# Altium PCB PCB_proj_module.PcbDoc (part 1 of 3)
Units mil, origin at the board's own origin, x right, y up, seen from the top; angles counter-clockwise.
Board outline 6000 x 4000 mil, 2 copper layers (Top Layer, Bottom Layer); 512 components, 452 nets, 1877 pads, 0 vias.
Unrouted connection lines stored in the file: 1267.
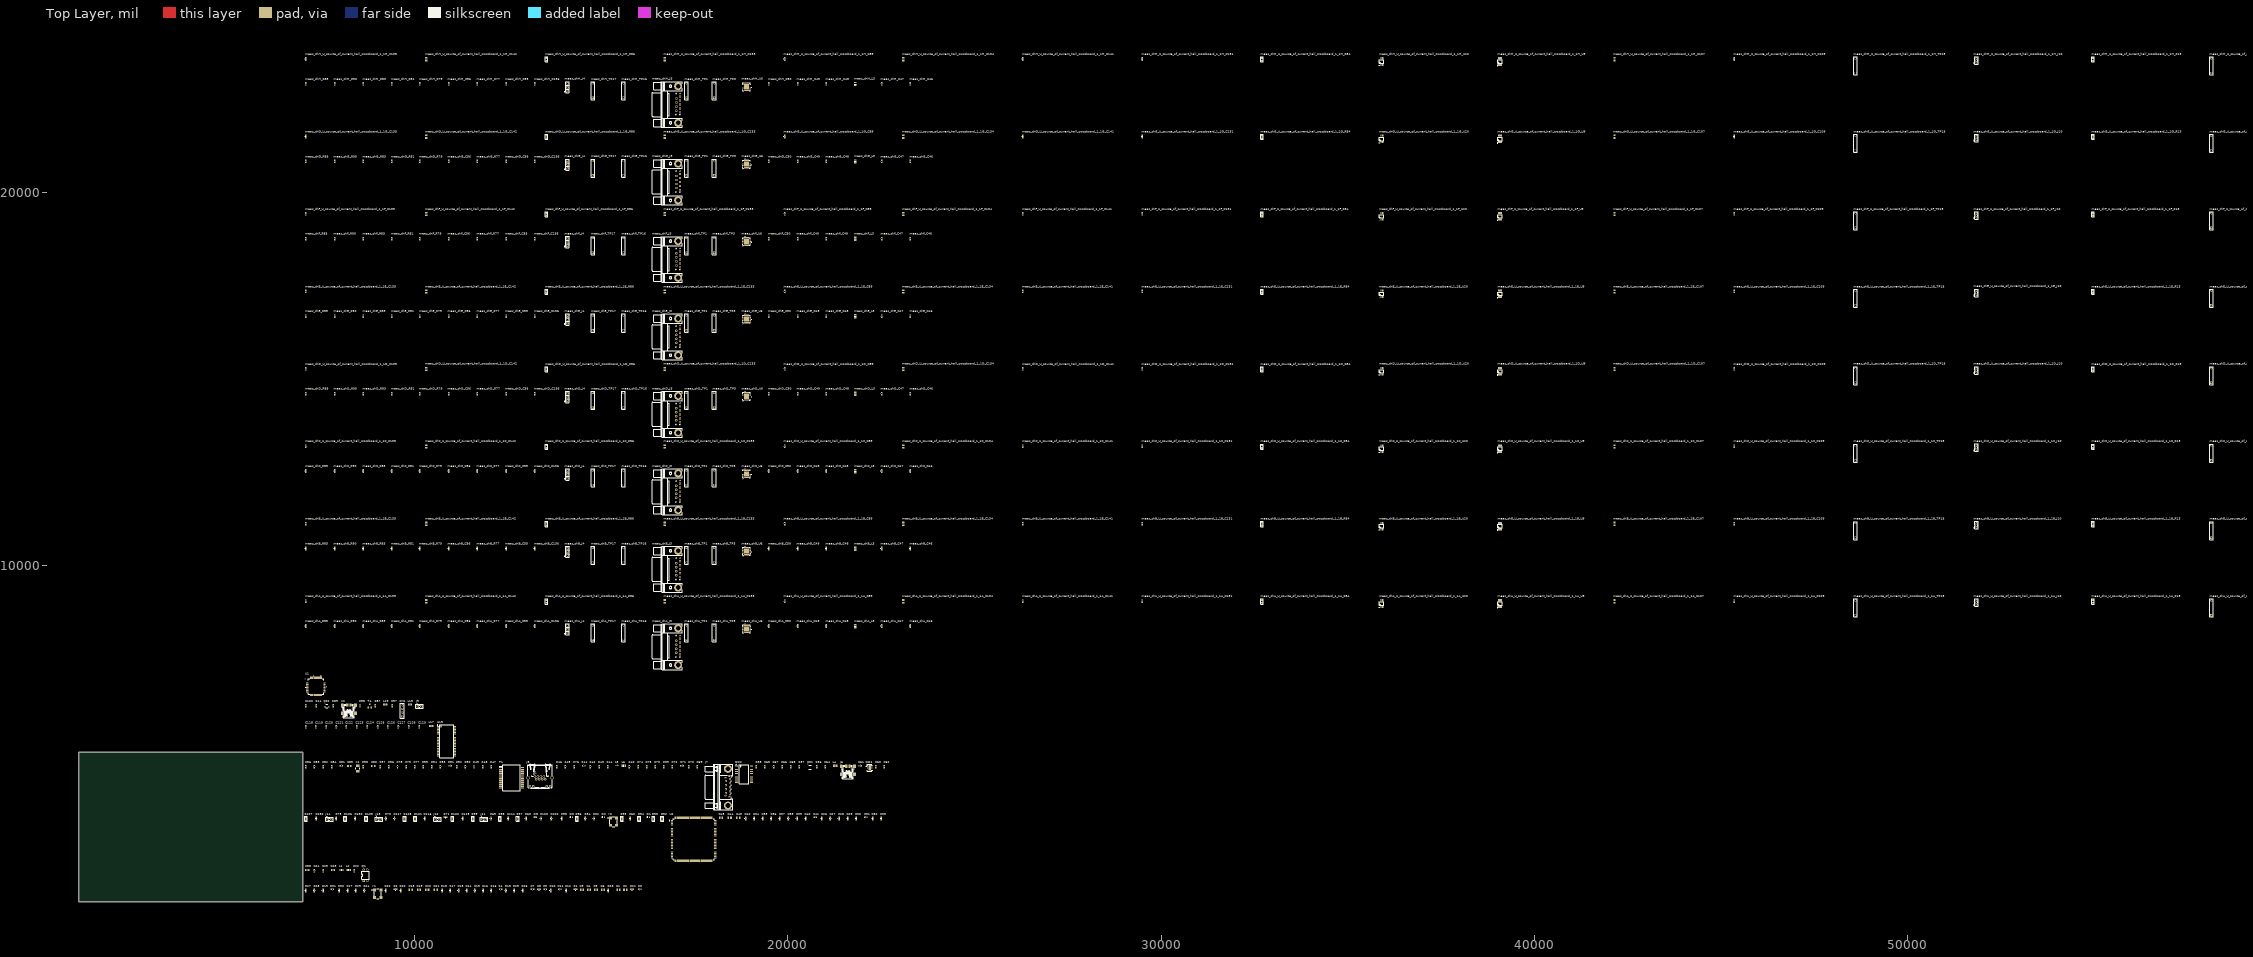
[diagram p0: Top Layer view]
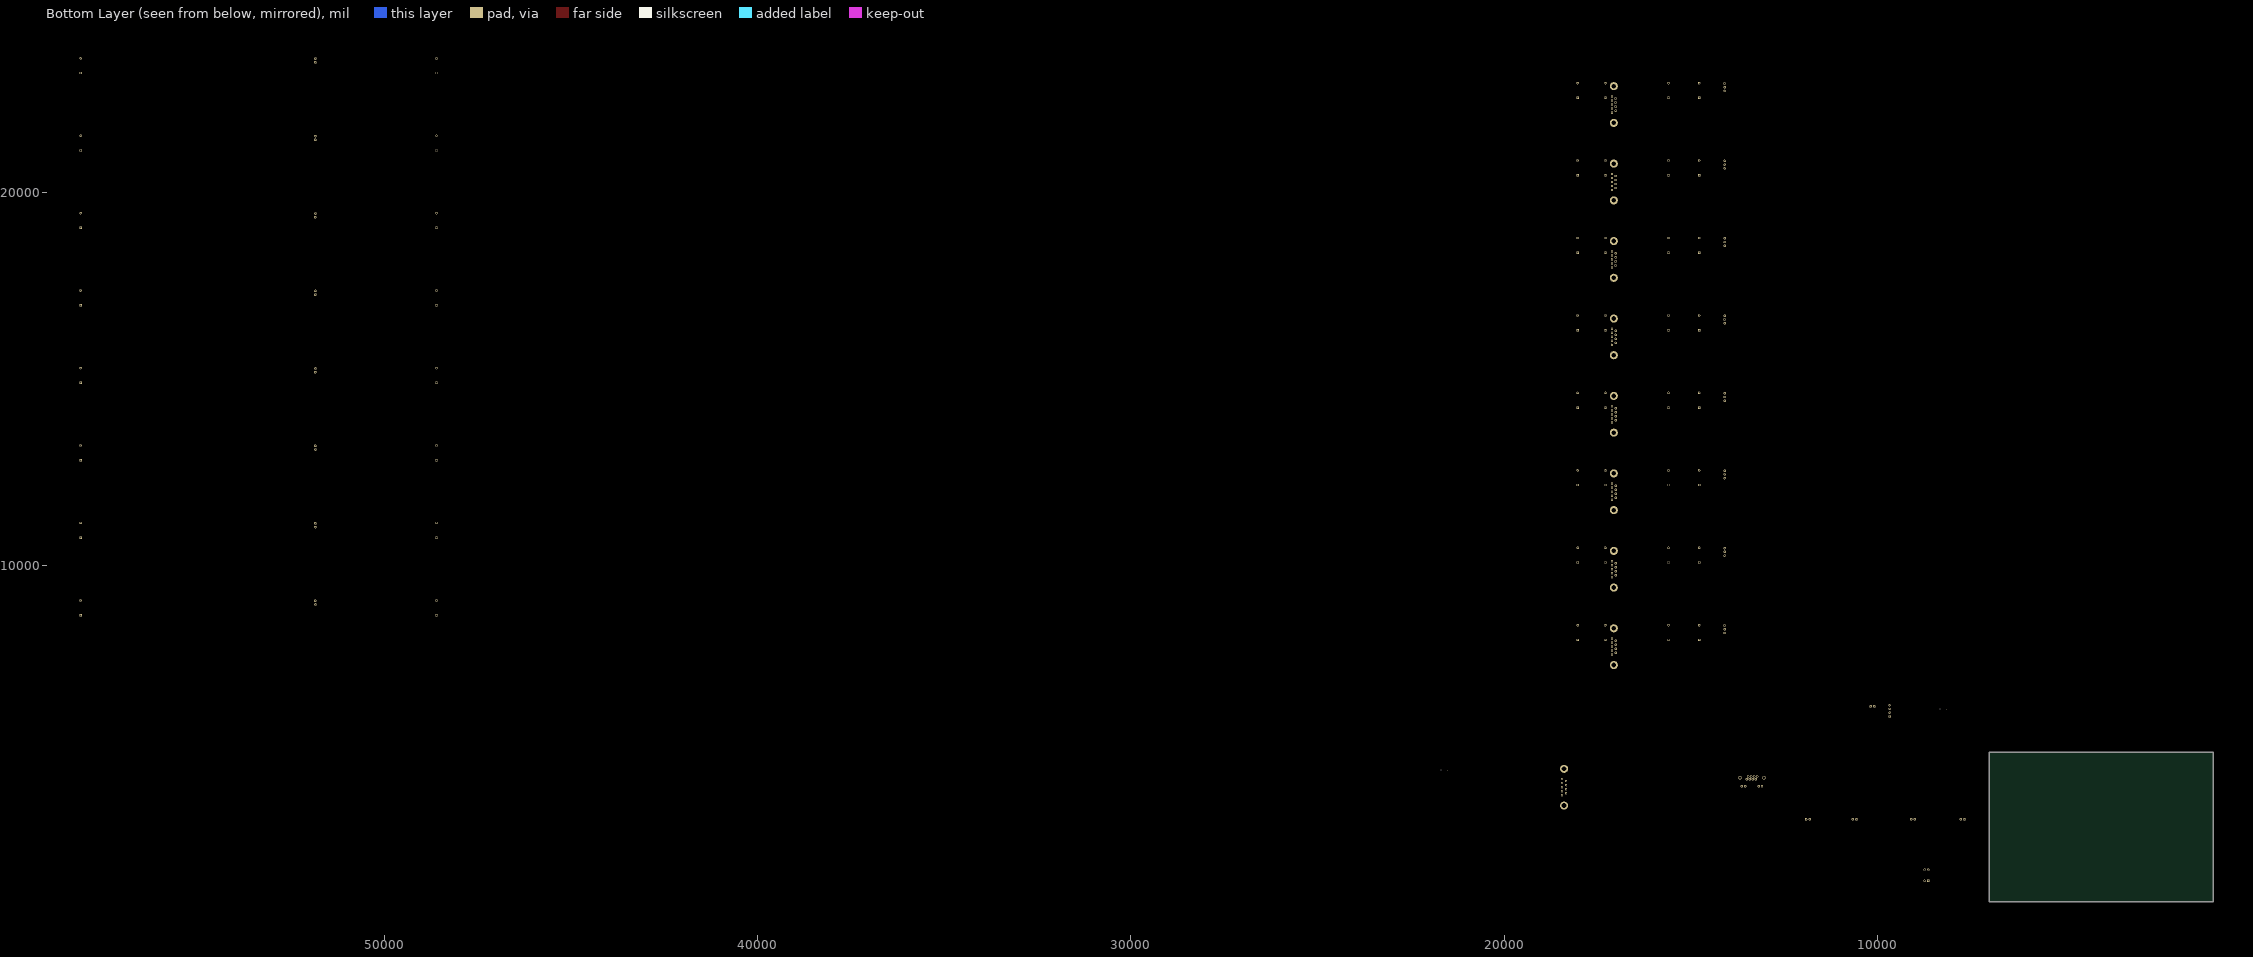
[diagram p1: Bottom Layer view, seen from below]

## Layer stack, top to bottom
Top Solder: solder mask 0.4, Solder Resist, Dk 3.5
Top Layer: signal copper 1.4
Dielectric 1: dielectric 12.6, FR-4, Dk 4.8
Bottom Layer: signal copper 1.4
Bottom Solder: solder mask 0.4, Solder Resist, Dk 3.5

## Board outline
1000,1000 7000,1000 7000,5000 1000,5000

## Design rules (kind name [scope] priority, off if disabled: settings)
Clearance [All] p1: gap=10 ignorepadtopadclearanceinfootprint=FALSE except(0: Arc-Hole Track-Hole SMDPad-Hole THPad-Hole Via-Hole Fill-Hole Poly-Hole Region-Hole Text-Hole)
PolygonConnect [All] p1: connectstyle=Relief reliefconductorwidth=10 reliefentries=4 polygonreliefangle="90 Angle" airgapwidth=10
RoomDefinition U_AD7768_inputs_hall_crossboard_1_1 [InComponentClass('U_AD7768_inputs_hall_crossboard_1_1')] p1: confinementstyle=ConfineIn formatcopy=TRUE lockcomponents=FALSE outline 7045,6480 7645,6480 7645,7160 7045,7160
RoomDefinition ST-LINK [InComponentClass('ST-LINK')] p2: confinementstyle=ConfineIn formatcopy=TRUE lockcomponents=FALSE outline 7045,5905 10240,5905 10240,6425 7045,6425
RoomDefinition SDRAM [InComponentClass('SDRAM')] p3: confinementstyle=ConfineIn formatcopy=TRUE lockcomponents=FALSE outline 7045,4845 11125,4845 11125,5855 7045,5855
RoomDefinition POE [InComponentClass('POE')] p4: confinementstyle=ConfineIn formatcopy=TRUE lockcomponents=FALSE outline 7045,3450 22740,3450 22740,4790 7045,4790
RoomDefinition meas_chH_U_source_of_current_hall_crossboard_1_1H [InComponentClass('meas_chH_U_source_of_current_hall_crossboard_1_1H')] p5: confinementstyle=ConfineIn formatcopy=TRUE lockcomponents=FALSE outline 7045,23145 61265,23145 61265,23760 7045,23760
RoomDefinition meas_chH [InComponentClass('meas_chH')] p6: confinementstyle=ConfineIn formatcopy=TRUE lockcomponents=FALSE outline 7045,21735 23975,21735 23975,23095 7045,23095
RoomDefinition meas_chG_U_source_of_current_hall_crossboard_1_1G [InComponentClass('meas_chG_U_source_of_current_hall_crossboard_1_1G')] p7: confinementstyle=ConfineIn formatcopy=TRUE lockcomponents=FALSE outline 7045,21070 61265,21070 61265,21685 7045,21685
RoomDefinition meas_chG [InComponentClass('meas_chG')] p8: confinementstyle=ConfineIn formatcopy=TRUE lockcomponents=FALSE outline 7045,19660 23975,19660 23975,21020 7045,21020
RoomDefinition meas_chF_U_source_of_current_hall_crossboard_1_1F [InComponentClass('meas_chF_U_source_of_current_hall_crossboard_1_1F')] p9: confinementstyle=ConfineIn formatcopy=TRUE lockcomponents=FALSE outline 7045,18995 61265,18995 61265,19610 7045,19610
RoomDefinition meas_chF [InComponentClass('meas_chF')] p10: confinementstyle=ConfineIn formatcopy=TRUE lockcomponents=FALSE outline 7045,17585 23975,17585 23975,18945 7045,18945
RoomDefinition meas_chE_U_source_of_current_hall_crossboard_1_1E [InComponentClass('meas_chE_U_source_of_current_hall_crossboard_1_1E')] p11: confinementstyle=ConfineIn formatcopy=TRUE lockcomponents=FALSE outline 7045,16920 61265,16920 61265,17535 7045,17535
RoomDefinition meas_chE [InComponentClass('meas_chE')] p12: confinementstyle=ConfineIn formatcopy=TRUE lockcomponents=FALSE outline 7045,15510 23975,15510 23975,16870 7045,16870
RoomDefinition meas_chD_U_source_of_current_hall_crossboard_1_1D [InComponentClass('meas_chD_U_source_of_current_hall_crossboard_1_1D')] p13: confinementstyle=ConfineIn formatcopy=TRUE lockcomponents=FALSE outline 7045,14845 61265,14845 61265,15460 7045,15460
RoomDefinition meas_chD [InComponentClass('meas_chD')] p14: confinementstyle=ConfineIn formatcopy=TRUE lockcomponents=FALSE outline 7045,13435 23975,13435 23975,14795 7045,14795
RoomDefinition meas_chC_U_source_of_current_hall_crossboard_1_1C [InComponentClass('meas_chC_U_source_of_current_hall_crossboard_1_1C')] p15: confinementstyle=ConfineIn formatcopy=TRUE lockcomponents=FALSE outline 7045,12770 61265,12770 61265,13385 7045,13385
RoomDefinition meas_chC [InComponentClass('meas_chC')] p16: confinementstyle=ConfineIn formatcopy=TRUE lockcomponents=FALSE outline 7045,11360 23975,11360 23975,12720 7045,12720
RoomDefinition meas_chB_U_source_of_current_hall_crossboard_1_1B [InComponentClass('meas_chB_U_source_of_current_hall_crossboard_1_1B')] p17: confinementstyle=ConfineIn formatcopy=TRUE lockcomponents=FALSE outline 7045,10695 61265,10695 61265,11310 7045,11310
RoomDefinition meas_chB [InComponentClass('meas_chB')] p18: confinementstyle=ConfineIn formatcopy=TRUE lockcomponents=FALSE outline 7045,9285 23975,9285 23975,10645 7045,10645
RoomDefinition meas_chA_U_source_of_current_hall_crossboard_1_1A [InComponentClass('meas_chA_U_source_of_current_hall_crossboard_1_1A')] p19: confinementstyle=ConfineIn formatcopy=TRUE lockcomponents=FALSE outline 7045,8620 61265,8620 61265,9235 7045,9235
RoomDefinition meas_chA [InComponentClass('meas_chA')] p20: confinementstyle=ConfineIn formatcopy=TRUE lockcomponents=FALSE outline 7045,7210 23975,7210 23975,8570 7045,8570
RoomDefinition MCU [InComponentClass('MCU')] p21: confinementstyle=ConfineIn formatcopy=TRUE lockcomponents=FALSE outline 7045,2050 22655,2050 22655,3400 7045,3400
RoomDefinition main_hall_crossboard_1_1 [InComponentClass('main_hall_crossboard_1_1')] p22: confinementstyle=ConfineIn formatcopy=TRUE lockcomponents=FALSE outline 7045,1520 8800,1520 8800,2000 7045,2000
RoomDefinition AD7768 [InComponentClass('AD7768')] p23: confinementstyle=ConfineIn formatcopy=TRUE lockcomponents=FALSE outline 7045,1060 16105,1060 16105,1470 7045,1470
RoutingVias [All] p1: holewidth=28 width=50 viastyle="Through Hole" minholewidth=28 minwidth=50 maxholewidth=28 maxwidth=50
SolderMaskExpansion [All] p1: expansion=4
Width [All] p1: maxlimit=10 minlimit=10 preferedwidth=10
30 further rules are at their usual default settings.

## Classes and differential pairs
channel class source_of_current_hall_crossboard_1_1: meas_chA_U_source_of_current_hall_crossboard_1_1A meas_chB_U_source_of_current_hall_crossboard_1_1B meas_chC_U_source_of_current_hall_crossboard_1_1C meas_chD_U_source_of_current_hall_crossboard_1_1D meas_chE_U_source_of_current_hall_crossboard_1_1E meas_chF_U_source_of_current_hall_crossboard_1_1F meas_chG_U_source_of_current_hall_crossboard_1_1G meas_chH_U_source_of_current_hall_crossboard_1_1H
channel class one_planar_sensor_connector_hall_crossboard_1_1: meas_chA meas_chB meas_chC meas_chD meas_chE meas_chF meas_chG meas_chH
net class VinP_planar[1..8]: VinP_planar1 VinP_planar2 VinP_planar3 VinP_planar4 VinP_planar5 VinP_planar6 VinP_planar7 VinP_planar8
net class VinM_planar[1..8]: VinM_planar1 VinM_planar2 VinM_planar3 VinM_planar4 VinM_planar5 VinM_planar6 VinM_planar7 VinM_planar8
net class SDRAM_DQM[0..3]: SDRAM_DQM0 SDRAM_DQM1 SDRAM_DQM2 SDRAM_DQM3
net class SDRAM_D[0..31]: SDRAM_D0 SDRAM_D1 SDRAM_D2 SDRAM_D3 SDRAM_D4 SDRAM_D5 SDRAM_D6 SDRAM_D7 SDRAM_D8 SDRAM_D9 SDRAM_D10 SDRAM_D11 SDRAM_D12 SDRAM_D13 SDRAM_D14 SDRAM_D15 SDRAM_D16 SDRAM_D17 SDRAM_D18 SDRAM_D19 SDRAM_D20 SDRAM_D21 SDRAM_D22 SDRAM_D23 SDRAM_D24 SDRAM_D25 SDRAM_D26 SDRAM_D27 SDRAM_D28 SDRAM_D29 SDRAM_D30 SDRAM_D31
net class SDRAM_B[0..1]: SDRAM_B0 SDRAM_B1
net class SDRAM_A[0..11]: SDRAM_A0 SDRAM_A1 SDRAM_A2 SDRAM_A3 SDRAM_A4 SDRAM_A5 SDRAM_A6 SDRAM_A7 SDRAM_A8 SDRAM_A9 SDRAM_A10 SDRAM_A11
net class ADG1607_A[0..1]: ADG1607_A0 ADG1607_A1
net class ADA4254_PGIO[0..4]: ADA4254_PGIO0 ADA4254_PGIO1 ADA4254_PGIO2 ADA4254_PGIO3 ADA4254_PGIO4
net class AD7768_D_OUT[0..7]: AD7768_D_OUT0 AD7768_D_OUT1 AD7768_D_OUT2 AD7768_D_OUT3 AD7768_D_OUT4 AD7768_D_OUT5 AD7768_D_OUT6 AD7768_D_OUT7
component class U_AD7768_inputs_hall_crossboard_1_1: U1
component class ST-LINK: C97 C100 CN1 CR2 J9 L18 L19 R14 R87 R88 R89 T4 X2
component class SDRAM: C118 C119 C120 C121 C122 C123 C124 C125 C126 C127 C128 C129 L17 U19
component class POE: C61 C62 C63 C64 C65 C66 C67 C68 C69 C70 C71 C72 C73 C74 C75 C76 C77 C78 C79 C80 C81 C82 C83 C84 C85 C86 CR1 D4 D5 D9 DD1 DD2 J6 J7 J8 J15 J16 K1 L4 L5 L6 R36 R37 R38 R39 R40 R41 R42 R43 R44 R45 R46 R47 R48 R49 R50 R51 R52 R53 R54 R55 R56 R57 R58 T1 U10 U11 X1
component class meas_chH: meas_chH_C46 meas_chH_C47 meas_chH_C48 meas_chH_C49 meas_chH_C50 meas_chH_C55 meas_chH_C56 meas_chH_C136 meas_chH_J3 meas_chH_J4 meas_chH_L3 meas_chH_R7 meas_chH_R33 meas_chH_R77 meas_chH_R79 meas_chH_R81 meas_chH_R83 meas_chH_R85 meas_chH_R90 meas_chH_TP1 meas_chH_TP3 meas_chH_TP16 meas_chH_TP17 meas_chH_U5 meas_chH_U6
component class meas_chH_U_source_of_current_hall_crossboard_1_1H: meas_chH_U_source_of_current_hall_crossboard_1_1H_C89 meas_chH_U_source_of_current_hall_crossboard_1_1H_C107 meas_chH_U_source_of_current_hall_crossboard_1_1H_C109 meas_chH_U_source_of_current_hall_crossboard_1_1H_C131 meas_chH_U_source_of_current_hall_crossboard_1_1H_C133 meas_chH_U_source_of_current_hall_crossboard_1_1H_C134 meas_chH_U_source_of_current_hall_crossboard_1_1H_C135 meas_chH_U_source_of_current_hall_crossboard_1_1H_C141 meas_chH_U_source_of_current_hall_crossboard_1_1H_C142 meas_chH_U_source_of_current_hall_crossboard_1_1H_J10 meas_chH_U_source_of_current_hall_crossboard_1_1H_Q2 meas_chH_U_source_of_current_hall_crossboard_1_1H_R13 meas_chH_U_source_of_current_hall_crossboard_1_1H_R84 meas_chH_U_source_of_current_hall_crossboard_1_1H_R86 meas_chH_U_source_of_current_hall_crossboard_1_1H_TP14 meas_chH_U_source_of_current_hall_crossboard_1_1H_TP15 meas_chH_U_source_of_current_hall_crossboard_1_1H_U9 meas_chH_U_source_of_current_hall_crossboard_1_1H_U20
component class meas_chG: meas_chG_C46 meas_chG_C47 meas_chG_C48 meas_chG_C49 meas_chG_C50 meas_chG_C55 meas_chG_C56 meas_chG_C136 meas_chG_J3 meas_chG_J4 meas_chG_L3 meas_chG_R7 meas_chG_R33 meas_chG_R77 meas_chG_R79 meas_chG_R81 meas_chG_R83 meas_chG_R85 meas_chG_R90 meas_chG_TP1 meas_chG_TP3 meas_chG_TP16 meas_chG_TP17 meas_chG_U5 meas_chG_U6
component class meas_chG_U_source_of_current_hall_crossboard_1_1G: meas_chG_U_source_of_current_hall_crossboard_1_1G_C89 meas_chG_U_source_of_current_hall_crossboard_1_1G_C107 meas_chG_U_source_of_current_hall_crossboard_1_1G_C109 meas_chG_U_source_of_current_hall_crossboard_1_1G_C131 meas_chG_U_source_of_current_hall_crossboard_1_1G_C133 meas_chG_U_source_of_current_hall_crossboard_1_1G_C134 meas_chG_U_source_of_current_hall_crossboard_1_1G_C135 meas_chG_U_source_of_current_hall_crossboard_1_1G_C141 meas_chG_U_source_of_current_hall_crossboard_1_1G_C142 meas_chG_U_source_of_current_hall_crossboard_1_1G_J10 meas_chG_U_source_of_current_hall_crossboard_1_1G_Q2 meas_chG_U_source_of_current_hall_crossboard_1_1G_R13 meas_chG_U_source_of_current_hall_crossboard_1_1G_R84 meas_chG_U_source_of_current_hall_crossboard_1_1G_R86 meas_chG_U_source_of_current_hall_crossboard_1_1G_TP14 meas_chG_U_source_of_current_hall_crossboard_1_1G_TP15 meas_chG_U_source_of_current_hall_crossboard_1_1G_U9 meas_chG_U_source_of_current_hall_crossboard_1_1G_U20
component class meas_chF: meas_chF_C46 meas_chF_C47 meas_chF_C48 meas_chF_C49 meas_chF_C50 meas_chF_C55 meas_chF_C56 meas_chF_C136 meas_chF_J3 meas_chF_J4 meas_chF_L3 meas_chF_R7 meas_chF_R33 meas_chF_R77 meas_chF_R79 meas_chF_R81 meas_chF_R83 meas_chF_R85 meas_chF_R90 meas_chF_TP1 meas_chF_TP3 meas_chF_TP16 meas_chF_TP17 meas_chF_U5 meas_chF_U6
component class meas_chF_U_source_of_current_hall_crossboard_1_1F: meas_chF_U_source_of_current_hall_crossboard_1_1F_C89 meas_chF_U_source_of_current_hall_crossboard_1_1F_C107 meas_chF_U_source_of_current_hall_crossboard_1_1F_C109 meas_chF_U_source_of_current_hall_crossboard_1_1F_C131 meas_chF_U_source_of_current_hall_crossboard_1_1F_C133 meas_chF_U_source_of_current_hall_crossboard_1_1F_C134 meas_chF_U_source_of_current_hall_crossboard_1_1F_C135 meas_chF_U_source_of_current_hall_crossboard_1_1F_C141 meas_chF_U_source_of_current_hall_crossboard_1_1F_C142 meas_chF_U_source_of_current_hall_crossboard_1_1F_J10 meas_chF_U_source_of_current_hall_crossboard_1_1F_Q2 meas_chF_U_source_of_current_hall_crossboard_1_1F_R13 meas_chF_U_source_of_current_hall_crossboard_1_1F_R84 meas_chF_U_source_of_current_hall_crossboard_1_1F_R86 meas_chF_U_source_of_current_hall_crossboard_1_1F_TP14 meas_chF_U_source_of_current_hall_crossboard_1_1F_TP15 meas_chF_U_source_of_current_hall_crossboard_1_1F_U9 meas_chF_U_source_of_current_hall_crossboard_1_1F_U20
component class meas_chE: meas_chE_C46 meas_chE_C47 meas_chE_C48 meas_chE_C49 meas_chE_C50 meas_chE_C55 meas_chE_C56 meas_chE_C136 meas_chE_J3 meas_chE_J4 meas_chE_L3 meas_chE_R7 meas_chE_R33 meas_chE_R77 meas_chE_R79 meas_chE_R81 meas_chE_R83 meas_chE_R85 meas_chE_R90 meas_chE_TP1 meas_chE_TP3 meas_chE_TP16 meas_chE_TP17 meas_chE_U5 meas_chE_U6
component class meas_chE_U_source_of_current_hall_crossboard_1_1E: meas_chE_U_source_of_current_hall_crossboard_1_1E_C89 meas_chE_U_source_of_current_hall_crossboard_1_1E_C107 meas_chE_U_source_of_current_hall_crossboard_1_1E_C109 meas_chE_U_source_of_current_hall_crossboard_1_1E_C131 meas_chE_U_source_of_current_hall_crossboard_1_1E_C133 meas_chE_U_source_of_current_hall_crossboard_1_1E_C134 meas_chE_U_source_of_current_hall_crossboard_1_1E_C135 meas_chE_U_source_of_current_hall_crossboard_1_1E_C141 meas_chE_U_source_of_current_hall_crossboard_1_1E_C142 meas_chE_U_source_of_current_hall_crossboard_1_1E_J10 meas_chE_U_source_of_current_hall_crossboard_1_1E_Q2 meas_chE_U_source_of_current_hall_crossboard_1_1E_R13 meas_chE_U_source_of_current_hall_crossboard_1_1E_R84 meas_chE_U_source_of_current_hall_crossboard_1_1E_R86 meas_chE_U_source_of_current_hall_crossboard_1_1E_TP14 meas_chE_U_source_of_current_hall_crossboard_1_1E_TP15 meas_chE_U_source_of_current_hall_crossboard_1_1E_U9 meas_chE_U_source_of_current_hall_crossboard_1_1E_U20
component class meas_chD: meas_chD_C46 meas_chD_C47 meas_chD_C48 meas_chD_C49 meas_chD_C50 meas_chD_C55 meas_chD_C56 meas_chD_C136 meas_chD_J3 meas_chD_J4 meas_chD_L3 meas_chD_R7 meas_chD_R33 meas_chD_R77 meas_chD_R79 meas_chD_R81 meas_chD_R83 meas_chD_R85 meas_chD_R90 meas_chD_TP1 meas_chD_TP3 meas_chD_TP16 meas_chD_TP17 meas_chD_U5 meas_chD_U6
component class meas_chD_U_source_of_current_hall_crossboard_1_1D: meas_chD_U_source_of_current_hall_crossboard_1_1D_C89 meas_chD_U_source_of_current_hall_crossboard_1_1D_C107 meas_chD_U_source_of_current_hall_crossboard_1_1D_C109 meas_chD_U_source_of_current_hall_crossboard_1_1D_C131 meas_chD_U_source_of_current_hall_crossboard_1_1D_C133 meas_chD_U_source_of_current_hall_crossboard_1_1D_C134 meas_chD_U_source_of_current_hall_crossboard_1_1D_C135 meas_chD_U_source_of_current_hall_crossboard_1_1D_C141 meas_chD_U_source_of_current_hall_crossboard_1_1D_C142 meas_chD_U_source_of_current_hall_crossboard_1_1D_J10 meas_chD_U_source_of_current_hall_crossboard_1_1D_Q2 meas_chD_U_source_of_current_hall_crossboard_1_1D_R13 meas_chD_U_source_of_current_hall_crossboard_1_1D_R84 meas_chD_U_source_of_current_hall_crossboard_1_1D_R86 meas_chD_U_source_of_current_hall_crossboard_1_1D_TP14 meas_chD_U_source_of_current_hall_crossboard_1_1D_TP15 meas_chD_U_source_of_current_hall_crossboard_1_1D_U9 meas_chD_U_source_of_current_hall_crossboard_1_1D_U20
component class meas_chC: meas_chC_C46 meas_chC_C47 meas_chC_C48 meas_chC_C49 meas_chC_C50 meas_chC_C55 meas_chC_C56 meas_chC_C136 meas_chC_J3 meas_chC_J4 meas_chC_L3 meas_chC_R7 meas_chC_R33 meas_chC_R77 meas_chC_R79 meas_chC_R81 meas_chC_R83 meas_chC_R85 meas_chC_R90 meas_chC_TP1 meas_chC_TP3 meas_chC_TP16 meas_chC_TP17 meas_chC_U5 meas_chC_U6
component class meas_chC_U_source_of_current_hall_crossboard_1_1C: meas_chC_U_source_of_current_hall_crossboard_1_1C_C89 meas_chC_U_source_of_current_hall_crossboard_1_1C_C107 meas_chC_U_source_of_current_hall_crossboard_1_1C_C109 meas_chC_U_source_of_current_hall_crossboard_1_1C_C131 meas_chC_U_source_of_current_hall_crossboard_1_1C_C133 meas_chC_U_source_of_current_hall_crossboard_1_1C_C134 meas_chC_U_source_of_current_hall_crossboard_1_1C_C135 meas_chC_U_source_of_current_hall_crossboard_1_1C_C141 meas_chC_U_source_of_current_hall_crossboard_1_1C_C142 meas_chC_U_source_of_current_hall_crossboard_1_1C_J10 meas_chC_U_source_of_current_hall_crossboard_1_1C_Q2 meas_chC_U_source_of_current_hall_crossboard_1_1C_R13 meas_chC_U_source_of_current_hall_crossboard_1_1C_R84 meas_chC_U_source_of_current_hall_crossboard_1_1C_R86 meas_chC_U_source_of_current_hall_crossboard_1_1C_TP14 meas_chC_U_source_of_current_hall_crossboard_1_1C_TP15 meas_chC_U_source_of_current_hall_crossboard_1_1C_U9 meas_chC_U_source_of_current_hall_crossboard_1_1C_U20
component class meas_chB: meas_chB_C46 meas_chB_C47 meas_chB_C48 meas_chB_C49 meas_chB_C50 meas_chB_C55 meas_chB_C56 meas_chB_C136 meas_chB_J3 meas_chB_J4 meas_chB_L3 meas_chB_R7 meas_chB_R33 meas_chB_R77 meas_chB_R79 meas_chB_R81 meas_chB_R83 meas_chB_R85 meas_chB_R90 meas_chB_TP1 meas_chB_TP3 meas_chB_TP16 meas_chB_TP17 meas_chB_U5 meas_chB_U6
component class meas_chB_U_source_of_current_hall_crossboard_1_1B: meas_chB_U_source_of_current_hall_crossboard_1_1B_C89 meas_chB_U_source_of_current_hall_crossboard_1_1B_C107 meas_chB_U_source_of_current_hall_crossboard_1_1B_C109 meas_chB_U_source_of_current_hall_crossboard_1_1B_C131 meas_chB_U_source_of_current_hall_crossboard_1_1B_C133 meas_chB_U_source_of_current_hall_crossboard_1_1B_C134 meas_chB_U_source_of_current_hall_crossboard_1_1B_C135 meas_chB_U_source_of_current_hall_crossboard_1_1B_C141 meas_chB_U_source_of_current_hall_crossboard_1_1B_C142 meas_chB_U_source_of_current_hall_crossboard_1_1B_J10 meas_chB_U_source_of_current_hall_crossboard_1_1B_Q2 meas_chB_U_source_of_current_hall_crossboard_1_1B_R13 meas_chB_U_source_of_current_hall_crossboard_1_1B_R84 meas_chB_U_source_of_current_hall_crossboard_1_1B_R86 meas_chB_U_source_of_current_hall_crossboard_1_1B_TP14 meas_chB_U_source_of_current_hall_crossboard_1_1B_TP15 meas_chB_U_source_of_current_hall_crossboard_1_1B_U9 meas_chB_U_source_of_current_hall_crossboard_1_1B_U20
component class meas_chA: meas_chA_C46 meas_chA_C47 meas_chA_C48 meas_chA_C49 meas_chA_C50 meas_chA_C55 meas_chA_C56 meas_chA_C136 meas_chA_J3 meas_chA_J4 meas_chA_L3 meas_chA_R7 meas_chA_R33 meas_chA_R77 meas_chA_R79 meas_chA_R81 meas_chA_R83 meas_chA_R85 meas_chA_R90 meas_chA_TP1 meas_chA_TP3 meas_chA_TP16 meas_chA_TP17 meas_chA_U5 meas_chA_U6
component class meas_chA_U_source_of_current_hall_crossboard_1_1A: meas_chA_U_source_of_current_hall_crossboard_1_1A_C89 meas_chA_U_source_of_current_hall_crossboard_1_1A_C107 meas_chA_U_source_of_current_hall_crossboard_1_1A_C109 meas_chA_U_source_of_current_hall_crossboard_1_1A_C131 meas_chA_U_source_of_current_hall_crossboard_1_1A_C133 meas_chA_U_source_of_current_hall_crossboard_1_1A_C134 meas_chA_U_source_of_current_hall_crossboard_1_1A_C135 meas_chA_U_source_of_current_hall_crossboard_1_1A_C141 meas_chA_U_source_of_current_hall_crossboard_1_1A_C142 meas_chA_U_source_of_current_hall_crossboard_1_1A_J10 meas_chA_U_source_of_current_hall_crossboard_1_1A_Q2 meas_chA_U_source_of_current_hall_crossboard_1_1A_R13 meas_chA_U_source_of_current_hall_crossboard_1_1A_R84 meas_chA_U_source_of_current_hall_crossboard_1_1A_R86 meas_chA_U_source_of_current_hall_crossboard_1_1A_TP14 meas_chA_U_source_of_current_hall_crossboard_1_1A_TP15 meas_chA_U_source_of_current_hall_crossboard_1_1A_U9 meas_chA_U_source_of_current_hall_crossboard_1_1A_U20
component class MCU: C26 C27 C28 C29 C30 C31 C32 C33 C34 C35 C36 C37 C38 C39 C40 C41 C42 C43 C44 C45 C60 C102 C103 C111 C115 C116 C117 C130 C132 D1 D2 D3 D8 J11 J12 J13 J14 R32 R34 R35 R63 R69 R71 R73 R75 R92 R93 R94 R95 R96 R97 R98 R99 R100 R101 R103 R105 R106 R107 U2 U8 U12 U14 U16 Y2
component class main_hall_crossboard_1_1: C22 C23 C24 C25 C58 J1 J2 L1 L2 Q1 R5 R6 U3 U4